# Altium PCB RFSOC_SAWG.PcbDoc (part 3 of 15)
Units mm, origin at the board's own origin, x right, y up, seen from the top; angles counter-clockwise.
Board outline 221.25 x 100 mm, 8 copper layers (Top Layer, Mid-Layer 2, Mid-Layer 3, Mid-Layer 4, Mid-Layer 5, Mid-Layer 6, Mid-Layer 7, Bottom Layer), stack 1.455 mm thick; 1107 components, 833 nets, 3980 pads, 2483 vias.
Unrouted connection lines stored in the file: 1.
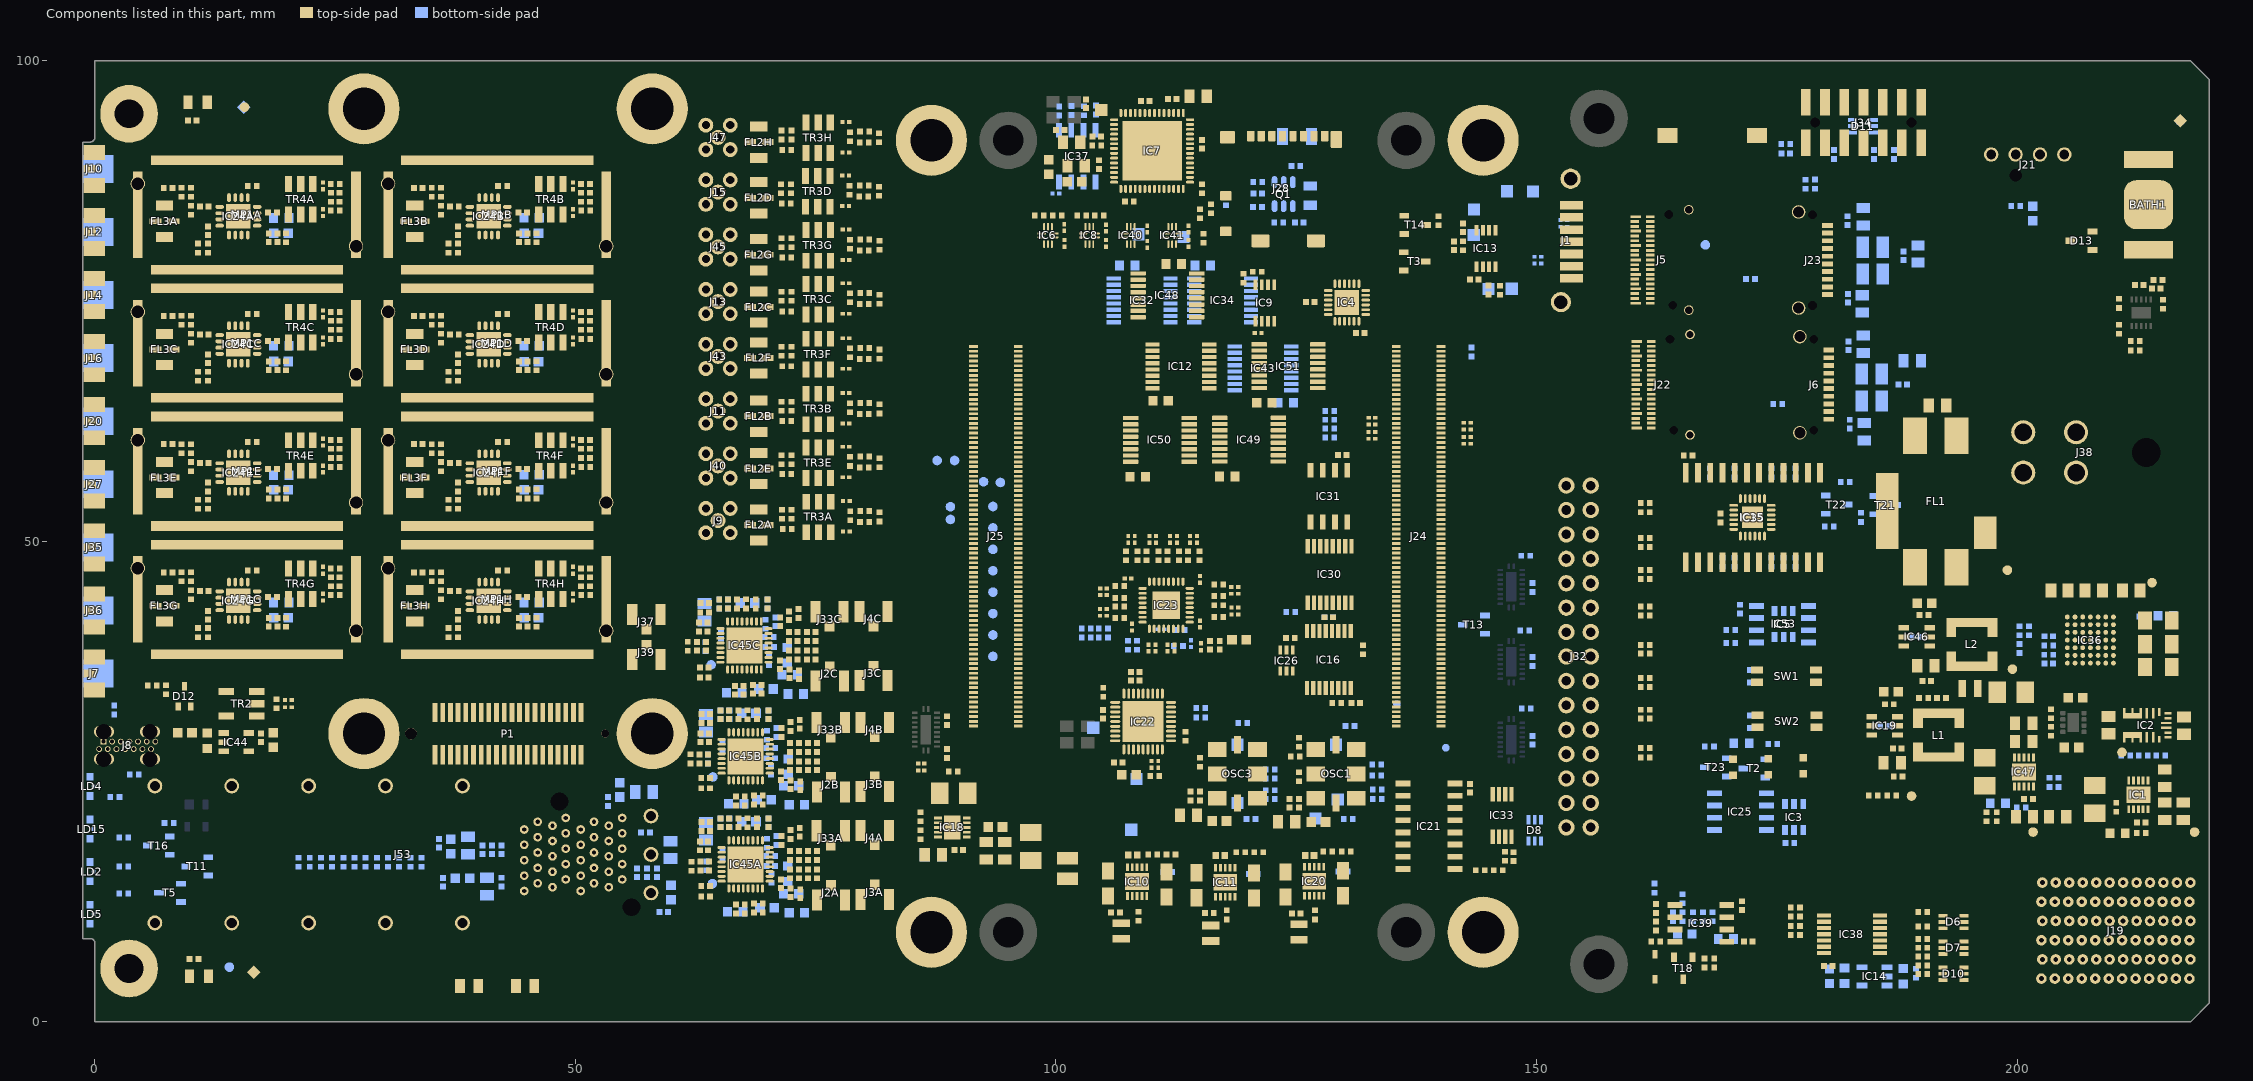
[diagram p9: the components of this part, seen from the top]

## Components (designator, comment, footprint, x,y, rotation, side; value= is the part's Value field where it differs from the comment) (continued)
R128H "4k7" RESC1005X40N 42.425,46.988 r180 top (schematic designator R128)
R129A "100" RESC1005X40N 11.764,80.516 r270 top (schematic designator R129)
R129B "100" RESC1005X40N 37.799,80.516 r270 top (schematic designator R129)
R129C "100" RESC1005X40N 11.764,67.181 r270 top (schematic designator R129)
R129D "100" RESC1005X40N 37.799,67.181 r270 top (schematic designator R129)
R129E "100" RESC1005X40N 11.764,53.846 r270 top (schematic designator R129)
R129F "100" RESC1005X40N 37.799,53.846 r270 top (schematic designator R129)
R129G "100" RESC1005X40N 11.764,40.511 r270 top (schematic designator R129)
R129H "100" RESC1005X40N 37.799,40.511 r270 top (schematic designator R129)
R130 "10k" RESC1005X40N 21.2,16.6 r270 bottom
R131A "100" RESC1005X40N 10.748,80.516 r90 top (schematic designator R131)
R131B "100" RESC1005X40N 36.783,80.516 r90 top (schematic designator R131)
R131C "100" RESC1005X40N 10.748,67.181 r90 top (schematic designator R131)
R131D "100" RESC1005X40N 36.783,67.181 r90 top (schematic designator R131)
R131E "100" RESC1005X40N 10.748,53.846 r90 top (schematic designator R131)
R131F "100" RESC1005X40N 36.783,53.846 r90 top (schematic designator R131)
R131G "100" RESC1005X40N 10.748,40.511 r90 top (schematic designator R131)
R131H "100" RESC1005X40N 36.783,40.511 r90 top (schematic designator R131)
R132 "1k6" RESC1005X40N 85.925,21.35 r270 top
R133 "15k" RESC1005X40N 85.925,19.475 r270 top
R134 "10k" RESC1005X40N 24.691,16.6 r90 bottom
R135 "22" RESC1005X40N 190.175,9.925 r0 top
R136 "22" RESC1005X40N 176.95,9.025 r0 top
R137 "22" RESC1005X40N 190.175,11.438 r0 top
R138 "22" RESC1005X40N 190.175,4.975 r0 top
R139 "22" RESC1005X40N 190.175,6.8 r0 top
R140 "22" RESC1005X40N 176.95,9.992 r0 top
R141 "1k" RESC1005X40N 128.475,63.575 r0 bottom
R142 "1k" RESC1005X40N 128.475,62.65 r0 bottom
R143 "1k" RESC1005X40N 148.93,32.6 r0 bottom
R144 "1k" RESC1005X40N 128.475,61.725 r0 bottom
R145 "0" RESC1005X40N 161.325,53.975 r180 top
R146 "0" RESC1005X40N 161.325,49.425 r180 top
R147 "0" RESC1005X40N 161.325,47 r180 top
R148 "0" RESC1005X40N 161.325,42.275 r180 top
R149 "0" RESC1005X40N 161.325,39.225 r180 top
R150 "0" RESC1005X40N 161.321,35.785 r180 top
R151 "0" RESC1005X40N 161.325,32.475 r180 top
R152 "0" RESC1005X40N 161.325,28.475 r180 top
R153 "3k9" RESC1608X55N 210.475,19.625 r0 top
R154 "1k" RESC1005X40N 128.475,60.8 r0 bottom
R155 "18k" RESC1005X40N 212.925,19.65 r0 top
R164 "10K" RESC1005X40N 172.675,30.559 r180 bottom value=10k
R165 "10k" RESC1005X40N 146.211,76.13 r270 top
R166 "10k" RESC1005X40N 145,76.15 r270 top
R167 "2k2" RESC1005X40N 166.8,57.125 r270 bottom
R168 "0" RESC1005X40N 161.321,34.835 r180 top
R169 "2k2" RESC1005X40N 168.075,57.125 r270 bottom
R170 "10k" RESC1005X40N 182.15,56.15 r180 bottom
R171 "10k" RESC1005X40N 183.775,52.485 r90 bottom
R172 "10k" RESC1005X40N 180.45,51.55 r180 bottom
R174 "0" RESC1005X40N 170.201,40.778 r0 bottom
R175 "1M1" RESC2012X60N 10.7,95.675 r0 top
R176 "1M1" RESC2012X60N 10.85,4.725 r0 top
R177 "10M" RESC2113X55N 44.775,3.75 r180 top
R178 "10M" RESC2113X55N 38.95,3.725 r180 top
R179 "2k2" RESC1608X55N 171.325,28.975 r0 bottom
R181 "10K" RESC1005X40N 203.3,38.2 r0 bottom value=10k
R182 "8K25" RESC1608X55N 215.475,42.25 r180 bottom value=8k25
R183 "180k" RESC1005X40N 203.3,39.15 r0 bottom
R184 "10K" RESC1005X40N 168,28.65 r180 bottom value=10k
R185 "1K" RESC1005X40N 199.855,84.875 r180 bottom value=1k
R186 "1k6" RESC1005X40N 2.1,23.375 r0 bottom
R187 "10k" RESC1005X40N 146.025,15.775 r0 top
R188 "0" RESC1005X40N 144.15,15.775 r0 top
R189 "10K" RESC1005X40N 212.3,70.825 r180 top value=10k
R190 "1K" RESC1005X40N 210.625,74.75 r270 top value=1k
R191 "4K7" RESC1005X40N 175.1,64.275 r180 bottom value=4k7
R194 "0" RESC1005X40N 146.725,17.225 r90 top
R197 "0" RESC1005X40N 162.4,8.35 r180 top
R198 "4k7" RESC1005X40N 172.675,31.884 r0 bottom
R199 "0" RESC2012X60N 126.45,85.975 r90 bottom
R200 "10K" RESC1005X40N 120.975,84.775 r180 bottom value=10k
R201 "10K" RESC1005X40N 123.2,83.15 r180 bottom value=10k
R202 "4K7" RESC1005X40N 117.7,85.425 r270 bottom value=4k7
R203 "10k" RESC1005X40N 101.6,94.825 r90 bottom
R204 "10k" RESC1005X40N 100.35,94.775 r90 bottom
R205 "2K2" RESC1005X40N 102.925,94.805 r270 bottom value=2k2
R206 "10k" RESC1005X40N 115,84.1 r270 top
R207 "10k" RESC1005X40N 115.375,81.515 r90 top
R208 "4K7" RESC1005X40N 124.425,42.65 r0 bottom value=4k7
R209 "10k" RESC1005X40N 139.8,83.375 r90 top
R210 "100k" RESC1005X40N 196.825,21.35 r90 top
R211 "100k" RESC1005X40N 197.893,21.35 r90 top
R212 "1k3" RESC1608X55N 198,22.736 r0 bottom
R213 "18k" RESC1005X40N 200.425,22.286 r0 bottom
R214A "0" RESC1005X40N 65.331,17.461 r90 bottom (schematic designator R214)
R214B "0" RESC1005X40N 65.331,28.702 r90 bottom (schematic designator R214)
R214C "0" RESC1005X40N 65.136,40.352 r90 bottom (schematic designator R214)
R215 "240" RESC1005X40N 3,13.375 r180 bottom
R216 "0" RESC0603X28N 85.992,26.165 r0 top
R217 "22" RESC1005X40N 176.95,11.925 r0 top
R218 "22" RESC1005X40N 176.95,10.958 r0 top
R219 "22" RESC1005X40N 190.175,5.887 r0 top
R220 "22" RESC1005X40N 190.175,7.712 r0 top
R221 "22" RESC1005X40N 190.175,8.625 r0 top
R224 "0" RESC1005X40N 121,87.375 r180 bottom
R225 "30" RESC1005X40N 115,27 r270 top
R226 "1k6" RESC1005X40N 168.3,10.925 r90 bottom
R230 "0" RESC1005X40N 170.2,39.425 r0 bottom
R231 "0" RESC1005X40N 5.975,35 r0 top
R232 "Undefined" RESC1005X40N 7.4,34.57 r270 top
R233 "100" RESC1005X35N 18.9,33.1 r270 top
R235 "0" RESC1005X40N 161.325,53.025 r180 top
R236 "0" RESC1005X40N 161.325,50.325 r180 top
R240 "200k" RESC1005X40N 142.35,80.75 r270 top
R241 "0" RESC1005X40N 161.321,46.085 r180 top
R242 "0" RESC1005X40N 161.325,43.225 r180 top
R243 "0" RESC1005X40N 161.325,38.325 r180 top
R244 "1k" RESC1005X40N 129.23,33.2 r0 top
R247 "0" RESC1005X40N 161.325,31.575 r180 top
R248 "0" RESC1005X40N 161.325,27.525 r180 top
R255 "1k" RESC1005X40N 148.9,48.5 r0 bottom
R256 "1k" RESC1005X40N 148.8,40.7 r0 bottom
R258 "1k" RESC1005X40N 88.667,27.923 r270 top
R259 "10k" RESC1005X40N 187.2,90.25 r270 bottom
R263 "10k" RESC1005X40N 185.125,90.25 r270 bottom
R264 "10k" RESC1005X40N 180.95,90.25 r270 bottom
R265 "10k" RESC1005X40N 179,87.175 r270 bottom
R266 "0" RESC1005X40N 177.991,87.17 r90 bottom
R268 "200k" RESC1005X40N 211.297,27.721 r180 bottom
R269 "39k" RESC1005X40N 213.117,27.721 r180 bottom
R270 "5k1" RESC1005X40N 214.942,27.721 r180 bottom
R271 "510k" RESC1005X40N 203.55,30.25 r270 top
R272 "160k" RESC1005X40N 203.55,32.075 r270 top
R273A "4k7" RESC1005X40N 19.9,81.6 r90 top (schematic designator R273)
R273B "4k7" RESC1005X40N 45.935,81.6 r90 top (schematic designator R273)
R273C "4k7" RESC1005X40N 19.9,68.265 r90 top (schematic designator R273)
R273D "4k7" RESC1005X40N 45.935,68.265 r90 top (schematic designator R273)
R273E "4k7" RESC1005X40N 19.9,54.93 r90 top (schematic designator R273)
R273F "4k7" RESC1005X40N 45.935,54.93 r90 top (schematic designator R273)
R273G "4k7" RESC1005X40N 19.9,41.595 r90 top (schematic designator R273)
R273H "4k7" RESC1005X40N 45.935,41.595 r90 top (schematic designator R273)
R274 "10K" RESC1005X40N 162.45,9.975 r90 top
R275 "10K" RESC1005X40N 167.475,6.125 r90 top
R276 "0" RESC1005X40N 168.5,6.125 r90 top
R277 "10k" RESC1005X40N 165.198,12.808 r90 bottom
R278 "0" RESC1005X40N 162.3,13.925 r90 bottom
R279 "2k7" RESC1608X55N 169.7,8.625 r0 bottom
R280 "5k6" RESC1005X40N 167.325,10.925 r90 bottom
R281 "10k" RESC1005X40N 166.275,10.925 r90 bottom
R282 "10k" RESC1005X40N 165.2,10.925 r90 bottom
R283 "1k6" RESC1005X40N 164.2,10.925 r90 bottom
R284 "10k" RESC1005X40N 27.018,16.6 r90 bottom
R285 "10k" RESC1005X40N 25.855,16.6 r90 bottom
R286 "240" RESC1005X40N 3.025,16.175 r180 bottom
R287 "10k" RESC1005X40N 23.527,16.6 r270 bottom
R288 "10k" RESC1005X40N 22.364,16.6 r270 bottom
R289 "240" RESC1005X40N 3,19.175 r180 bottom
R290 "10k" RESC1005X40N 31.673,16.6 r90 bottom
R291 "10k" RESC1005X40N 28.182,16.6 r90 bottom
R292 "10k" RESC1005X40N 29.345,16.6 r90 bottom
R293 "10k" RESC1005X40N 34,16.6 r270 bottom
R294 "10k" RESC1005X40N 32.836,16.6 r270 bottom
R295 "10k" RESC1005X40N 30.509,16.6 r270 bottom
S1 "9774100360" 9774100360 58,30 r0 top locked
S2 "9774100360" 9774100360 28,30 r0 top
S3 "9774100360" 9774100360 58,95 r0 top
S4 "9774100360" 9774100360 28,95 r0 top
S5 "9774050360" 9774050360#1 144.45,9.322 r0 top
S6 "9774050360" 9774050360#2 87.05,9.322 r0 top
S7 "9774050360" 9774050360#1 87.05,91.722 r0 top
S8 "9774050360" 9774050360#1 144.45,91.722 r0 top
SW1 "Switch" SW_OMRON_A6H-2102 176.025,35.984 r180 top
SW2 "Switch" SW_OMRON_A6H-2102 176.075,31.284 r180 top
T2 "BSH103" SOT95P230X110-3N 172.675,26.375 r180 bottom
T3 "BSH103" SOT95P230X110-3N 137.325,79.12 r0 top
T5 "BSH103" SOT95P230X110-3N 7.825,13.425 r180 bottom
T11 "BSH103" SOT95P230X110-3N 10.675,16.175 r180 bottom
T13 "BSH103" SOT95P230X110-3N 143.5,41.325 r180 bottom
T14 "BSH103" SOT95P230X110-3N 137.375,82.92 r0 top
T16 "BSH103" SOT95P230X110-3N 6.65,18.35 r180 bottom
T18 "BSH103" SOT95P230X110-3N 165.275,5.575 r270 top
T21 "BSH103" SOT95P230X110-3N 186.3,53.775 r0 bottom
T22 "BSH103" SOT95P230X110-3N 181.25,53.825 r0 bottom
T23 "BSH103" SOT95P230X110-3N 168.663,26.485 r180 bottom
TP1 "Testpoint 0.8mm" TP_0.8mm 140.575,28.525 r180 bottom
TP2 "Testpoint 0.8mm" TP_0.8mm 135.475,33.05 r180 bottom
TP4 "Test Point" TPS127 104.71,94.88 r0 top
TP5 "Test Point" TPS127 113.275,81.675 r180 bottom
TP6 "Test Point" TPS127 108.6,81.95 r180 bottom
TP13 "Test Point" TPS127 147.425,76.275 r90 bottom
TP14 "Test Point" TPS127 145,76.25 r90 bottom
TP15 "Testpoint 1mm" TP_1mm 167.575,80.85 r270 bottom
TP16 "Test Point" TPS127 146.925,86.425 r90 bottom
TP17 "Test Point" TPS127 149.65,86.4 r90 bottom
TP18 "Test Point" TPS127 143.475,81.875 r90 bottom
TP19 "Test Point" TPS127 143.5,84.525 r90 bottom
TP23 "Test Point" TPS127 118.885,22.784 r90 bottom
TP24 "Test Point" TPS127 118.885,28.834 r90 bottom
TP25 "Test Point" TPS127 107.849,19.99 r0 bottom
TP26 "Test Point" TPS127 127,21.175 r0 bottom
TP27 "Test Point" TPS127 108.375,25.275 r0 bottom
TP28 "Q1" TPS127 103.881,30.6 r90 bottom
TP29 "Test Point" TPS127 129.325,23.125 r90 bottom
TP30 "Test Point" TPS127 129.15,28.834 r90 bottom
TR2 "1:1" XFMR_MINI-CIRCUITS_AT224 15.265,33.105 r270 top
TR3A "1:2" XFMR_MINI-CIRCUITS_DB1627 75.301,52.534 r0 top (schematic designator TR3)
TR3B "1:2" XFMR_MINI-CIRCUITS_DB1627 75.275,63.772 r0 top (schematic designator TR3)
TR3C "1:2" XFMR_MINI-CIRCUITS_DB1627 75.275,75.202 r0 top (schematic designator TR3)
TR3D "1:2" XFMR_MINI-CIRCUITS_DB1627 75.226,86.408 r0 top (schematic designator TR3)
TR3E "1:2" XFMR_MINI-CIRCUITS_DB1627 75.275,58.184 r0 top (schematic designator TR3)
TR3F "1:2" XFMR_MINI-CIRCUITS_DB1627 75.275,69.487 r0 top (schematic designator TR3)
TR3G "1:2" XFMR_MINI-CIRCUITS_DB1627 75.275,80.79 r0 top (schematic designator TR3)
TR3H "1:2" XFMR_MINI-CIRCUITS_DB1627 75.264,91.985 r0 top (schematic designator TR3)
TR4A "1:2" XFMR_MINI-CIRCUITS_DB1627 21.416,85.596 r0 top (schematic designator TR4)
TR4B "1:2" XFMR_MINI-CIRCUITS_DB1627 47.451,85.596 r0 top (schematic designator TR4)
TR4C "1:2" XFMR_MINI-CIRCUITS_DB1627 21.416,72.261 r0 top (schematic designator TR4)
TR4D "1:2" XFMR_MINI-CIRCUITS_DB1627 47.451,72.261 r0 top (schematic designator TR4)
TR4E "1:2" XFMR_MINI-CIRCUITS_DB1627 21.416,58.926 r0 top (schematic designator TR4)
TR4F "1:2" XFMR_MINI-CIRCUITS_DB1627 47.451,58.926 r0 top (schematic designator TR4)
TR4G "1:2" XFMR_MINI-CIRCUITS_DB1627 21.416,45.591 r0 top (schematic designator TR4)
TR4H "1:2" XFMR_MINI-CIRCUITS_DB1627 47.451,45.591 r0 top (schematic designator TR4)

## Footprints (in the part's own frame and the unit in brackets; to place one, negate y for a bottom-side part, rotate by r counter-clockwise, add the part's x,y. Pads: shape width x height; smd on the part's side, far side on the other; paste and mask are expansions set on the pad)
3M_N2530-6002RB [mm] "30 Contacts - Straight .100\" x .100\" Low Profile Four-Wall Header"
  round 1.7 hole 1: 1(-17.78,-1.27) 2(-17.78,1.27) 3(-15.24,-1.27) 4(-15.24,1.27) 5(-12.7,-1.27) 6(-12.7,1.27) 7(-10.16,-1.27) 8(-10.16,1.27) 9(-7.62,-1.27) 10(-7.62,1.27) 11(-5.08,-1.27) 12(-5.08,1.27) 13(-2.54,-1.27) 14(-2.54,1.27) 15(0,-1.27) 16(0,1.27) 17(2.54,-1.27) 18(2.54,1.27) 19(5.08,-1.27) 20(5.08,1.27) 21(7.62,-1.27) 22(7.62,1.27) 23(10.16,-1.27) 24(10.16,1.27) 25(12.7,-1.27) 26(12.7,1.27) 27(15.24,-1.27) 28(15.24,1.27) 29(17.78,-1.27) 30(17.78,1.27)
  silkscreen extent -22.71,-4.85 22.71,4.52, body extent -22.71,-4.11 22.71,4.52, height 9.91
47053-1000 [mm]
  round 1.5 hole 1: 1(3.81,1.08) 2(1.27,1.08) 3(-1.27,1.08) 4(-3.81,1.08)
  round 0 hole 1.3 unplated: H1(-1.27,-1.08)
  silkscreen extent -5.1,-2.12 5.1,4.38, body extent -5.1,-1.46 5.1,4.38, height 10
104031-0811 [mm]
  rrect20% 0.75x1.1 smd: 1(3.155,-5.525) 2(2.055,-5.525) 3(0.955,-5.525) 4(-0.145,-5.525) 5(-1.245,-5.525) 6(-2.345,-5.525) 7(-3.445,-5.525) 8(-4.545,-5.525)
  rrect20% 1.2x1 smd: 9(5.74,0.7) 10(5.74,4.4)
  rrect20% 1.55x1.35 smd: G1(5.565,-5.4)
  rrect20% 1.17x1.8 smd: G2(-5.755,-5.175)
  rrect20% 1.9x1.35 smd: G3(-3.63,5.375) G4(2.14,5.375)
  silkscreen extent -5.98,-4.4 5.97,5.7, body extent -5.97,-9.7 5.98,5.7, height 1.45
3670230 [mm] "Shielding Cabinet, SMT Frame Seamless, 23x11.7x5mm"
  rect 1x9 smd paste-2539.97 mask-2222: 1(-11.35,0) 1(11.35,0)
  round 1.5 hole 1.3: 1(-11.35,3.25) 1(11.35,-3.25)
  rect 20x1 smd paste-2539.97 mask-2222: 1(0,5.7) 1(0,-5.7)
  Top Layer region: -12.1,-4.05 -12.1,4.05 -11.917,4.968 -11.397,5.747 -10.618,6.267 -9.7,6.45 -9.7,6.45 1,6.45 1,4.95 -9.7,4.95 -10.044,4.881 -10.336,4.686 -10.531,4.394 -10.6,4.05 -10.6,4.05 -10.6,-4.05 -10.531,-4.394 -10.336,-4.686 -10.044,-4.881 -9.7,-4.95 -9.7,-4.95 1,-4.95 1,-6.45 -9.7,-6.45 -10.618,-6.267 -11.397,-5.747 -11.917,-4.968 -12.1,-4.05
  Top Layer region: 12.1,-4.05 12.1,4.05 11.917,4.968 11.397,5.747 10.618,6.267 9.7,6.45 9.7,6.45 9.7,6.45 0.25,6.45 0.25,4.95 9.7,4.95 10.044,4.881 10.336,4.686 10.531,4.394 10.6,4.05 10.6,4.05 10.6,-4.05 10.531,-4.394 10.336,-4.686 10.044,-4.881 9.7,-4.95 9.7,-4.95 0.25,-4.95 0.25,-6.45 9.7,-6.45 9.7,-6.45 10.618,-6.267 11.397,-5.747 11.917,-4.968 12.1,-4.05
  body extent -11.5,-5.85 11.5,5.85, height 5
9774050360#1 [mm] "SMD Steel Spacer with internal Thread"
  round 7.4 smd paste-576.133: 1(0,0)
  round 0 hole 4.4 unplated: ""(0,0)
  body extent -3.04,-2.94 2.96,3.06, height 5
9774050360#2 [mm] "SMD Steel Spacer with internal Thread"
  round 7.4 smd paste-576.133: 1(0,0)
  oval 8x0 / inner round 0 / far side round 0 hole 4.4 unplated: ""(0,0)
  body extent -3.04,-2.94 2.96,3.06, height 5
9774100360 [mm] "SMD Steel Spacer with internal Thread"
  round 7.4 smd paste-576.133: 1(0,0)
  round 0 hole 4.4 unplated: ""(0,0)
  body extent -3.04,-2.94 2.96,3.06, height 10
658855603040 [mm] "0.80mm SMT Male Shrouded Vertical Plug 5.60mm height, 40p"
  rect 0.5x2 smd: 1(-7.6,2.2) 2(-7.6,-2.2) 3(-6.8,2.2) 4(-6.8,-2.2) 5(-6,2.2) 6(-6,-2.2) 7(-5.2,2.2) 8(-5.2,-2.2) 9(-4.4,2.2) 10(-4.4,-2.2) 11(-3.6,2.2) 12(-3.6,-2.2) 13(-2.8,2.2) 14(-2.8,-2.2) 15(-2,2.2) 16(-2,-2.2) 17(-1.2,2.2) 18(-1.2,-2.2) 19(-0.4,2.2) 20(-0.4,-2.2) 21(0.4,2.2) 22(0.4,-2.2) 23(1.2,2.2) 24(1.2,-2.2) 25(2,2.2) 26(2,-2.2) 27(2.8,2.2) 28(2.8,-2.2) 29(3.6,2.2) 30(3.6,-2.2) 31(4.4,2.2) 32(4.4,-2.2) 33(5.2,2.2) 34(5.2,-2.2) 35(6,2.2) 36(6,-2.2) 37(6.8,2.2) 38(6.8,-2.2) 39(7.6,2.2) 40(7.6,-2.2)
  round 0.8 hole 0.8 unplated: M1(-10.1,0)
  round 1.2 hole 1.2 unplated: M2(10.1,0)
  silkscreen extent -10.9,-3 10.9,3, body extent -10.9,-3.35 10.9,3.35, height 5.85
AMPHENOL_302102 [mm] "50 Ohm RF Connector, SMP End Launch Jack for 1.6mm PCB,  Flat Tab Contact"
  rect 1.3x0.8 smd: 1(0,0)
  rect 2.2x1.55 smd: 2(0.45,-1.725) 2(0.45,1.725)
  rect 3.2x2.9 smd far side: 2(0.85,0)
  body extent -5.39,-2.45 2.41,2.45, height 2.64
AMPHENOL_10052825-101LF [mm] "72 Contacts, 2mm Pitch, 6 Columns, 4 Pairs per Column, 4 Walls, Right Angle Header"
  round 1.1 hole 0.5: A1(-5,-7.65) A2(-3,-7.75) A3(-1,-7.65) A4(1,-7.75) A5(3,-7.65) A6(5,-7.75) B1(-5,-6.25) B2(-3,-6.35) B3(-1,-6.25) B4(1,-6.35) B5(3,-6.25) B6(5,-6.35) C1(-5,-4.85) C2(-3,-4.95) C3(-1,-4.85) C4(1,-4.95) C5(3,-4.85) C6(5,-4.95) D1(-5,-3.45) D2(-3,-3.55) D3(-1,-3.45) D4(1,-3.55) D5(3,-3.45) D6(5,-3.55) E1(-5,-2.05) E2(-3,-2.15) E3(-1,-2.05) E4(1,-2.15) E5(3,-2.05) E6(5,-2.15) F1(-5,-0.65) F2(-3,-0.75) F3(-1,-0.65) F4(1,-0.75) F5(3,-0.65) F6(5,-0.75) G1(-5,0.75) G2(-3,0.65) G3(-1,0.75) G4(1,0.65) G5(3,0.75) G6(5,0.65) H1(-5,2.15) H2(-3,2.05) H3(-1,2.15) H4(1,2.05) H5(3,2.15) H6(5,2.05) I1(-5,3.55) I2(-3,3.45) I3(-1,3.55) I4(1,3.45) I5(3,3.55) I6(5,3.45) J1(-5,4.95) J2(-3,4.85) J3(-1,4.95) J4(1,4.85) J5(3,4.95) J6(5,4.85) K1(-5,6.35) K2(-3,6.25) K3(-1,6.35) K4(1,6.25) K5(3,6.35) K6(5,6.25) L1(-5,7.75) L2(-3,7.65) L3(-1,7.75) L4(1,7.65) L5(3,7.75) L6(5,7.65)
  silkscreen extent -6.95,-21.95 6.95,11.85, body extent -6.95,-21.95 6.95,11.85, height 15.25
AMPHENOL_U77A11108000P [mm] "Plastic Dust Cover SFP Cage"
  silkscreen extent -4,-6.82 4.9,7.87, body extent -4.03,-6.82 4.9,7.87, height 5.1
BATH_KEYSTONE_2998 [mm] "SMD Battery Holder for SR60, SR66, SR621, LR621, MC621, V364, SC621, DR13H, D377, V13AT Coin Cells"
  rect 1.8x5.1 smd: 1(-4.7,0) 1(4.7,0)
  rrect50% 5.1x5.1 smd paste-2.55: 2(0,0)
  silkscreen extent -3.7,-4.03 3.7,3.97, body extent -5.36,-4.03 5.36,3.98, height 2.9
BGA49N80P7X7_625X625X536 [mm] "BGA, 0.8mm Pitch, Square; 49 Pin, 7 Columns X 7 Rows, 6.25mm X 6.25mm X 05.36mm H"
  round 0.5 smd: A1(-2.4,2.4) A2(-1.6,2.4) A3(-0.8,2.4) A4(0,2.4) A5(0.8,2.4) A6(1.6,2.4) A7(2.4,2.4) B1(-2.4,1.6) B2(-1.6,1.6) B3(-0.8,1.6) B4(0,1.6) B5(0.8,1.6) B6(1.6,1.6) B7(2.4,1.6) C1(-2.4,0.8) C2(-1.6,0.8) C3(-0.8,0.8) C4(0,0.8) C5(0.8,0.8) C6(1.6,0.8) C7(2.4,0.8) D1(-2.4,0) D2(-1.6,0) D3(-0.8,0) D4(0,0) D5(0.8,0) D6(1.6,0) D7(2.4,0) E1(-2.4,-0.8) E2(-1.6,-0.8) E3(-0.8,-0.8) E4(0,-0.8) E5(0.8,-0.8) E6(1.6,-0.8) E7(2.4,-0.8) F1(-2.4,-1.6) F2(-1.6,-1.6) F3(-0.8,-1.6) F4(0,-1.6) F5(0.8,-1.6) F6(1.6,-1.6) F7(2.4,-1.6) G1(-2.4,-2.4) G2(-1.6,-2.4) G3(-0.8,-2.4) G4(0,-2.4) G5(0.8,-2.4) G6(1.6,-2.4) G7(2.4,-2.4)
  silkscreen extent -3.88,-3.15 3.15,3.15, body extent -3.13,-3.13 3.13,3.13, height 5.36
C100 [mm] "1mm Diameter SMD Pad"
  round 1 smd paste-1: 1(0,0)
CAPC0603X33N [mm] "Chip Capacitor, Body 0.6x0.30mm, IPC Medium Density"
  rect 0.45x0.4 smd: 1(-0.35,0) 2(0.35,0)
  body extent -0.31,-0.16 0.32,0.17, height 0.33
CAPC1005X55N [mm] "Capacitor, Non-Polarized, Chip; 1.00mm L X 0.50mm W X 0.70mm H, IPC Medium Density"
  rect 0.62x0.62 smd: 1(-0.45,0) 2(0.45,0)
  body extent -0.52,-0.27 0.53,0.28, height 0.55
CAPC1005X70N [mm] "Capacitor, Non-Polarized, Chip; 1.00mm L X 0.50mm W X 0.70mm H, IPC Medium Density"
  rect 0.71x0.72 smd: 1(-0.46,0) 2(0.46,0)
  body extent -0.6,-0.35 0.6,0.35, height 0.7
CAPC1608X80N [mm] "Chip Capacitor, Body 1.6x0.8mm IPC Medium Density"
  rect 1x1 smd: 1(-0.75,0) 2(0.75,0)
  body extent -0.87,-0.47 0.88,0.48, height 0.8
CAPC1608X87N [mm] "Chip Capacitor, Body 1.6x0.8mm IPC Medium Density"
  rect 0.95x1 smd: 1(-0.8,0) 2(0.8,0)
  body extent -0.87,-0.47 0.88,0.48, height 0.87
CAPC1608X90N [mm] "Chip Capacitor, Body 1.6x0.8mm IPC Medium Density"
  rect 0.95x0.95 smd: 1(-0.75,0) 2(0.75,0)
  body extent -0.85,-0.45 0.85,0.45, height 0.9
CAPC2012X95N [mm] "Chip Capacitor, Body 2.0x1.25mm, IPC Medium Density"
  rect 1.1x1.45 smd: 1(-0.9,0) 2(0.9,0)
  silkscreen extent 0,-0.58 0,0.58, body extent -1.05,-0.67 1.05,0.68, height 0.95
CAPC2012X135N [mm] "Chip Capacitor, Body 2.0x1.25mm, IPC Medium Density"
  rect 1.05x1.4 smd: 1(-0.9,0) 2(0.9,0)
  silkscreen extent 0,-0.57 0,0.57, body extent -1.05,-0.67 1.05,0.68, height 1.25
CAPC2012X145N [mm] "Chip Capacitor, Body 2.0x1.45mm, IPC Medium Density"
  rect 1.15x1.45 smd: 1(-0.9,0) 2(0.9,0)
  silkscreen extent 0,-0.57 0,0.57, body extent -1.05,-0.67 1.05,0.68, height 1.45
CAPC3216X180N [mm] "Chip Capacitor, Body 3.2x1.6mm, IPC Medium Density"
  rect 1.15x1.8 smd: 1(-1.5,0) 2(1.5,0)
  silkscreen extent -0.55,-0.8 0.55,0.8, body extent -1.7,-0.9 1.7,0.9, height 1.8
CAPC3216X190N [mm] "Chip Capacitor, Body 3.2x1.6mm, IPC Medium Density"
  rect 1.45x1.9 smd: 1(-1.4,0) 2(1.4,0)
  silkscreen extent -0.3,-0.95 0.3,0.95, body extent -1.75,-0.95 1.75,0.95, height 1.9
CAPMP3216X180N [mm] "Capacitor, Polarized, Molded  Body 3.2x1.6mm, IPC Medium Density"
  rect 1.8x1.25 smd: 1(-1.3,0) 2(1.3,0)
  silkscreen extent -2.4,-0.7 0,1.25, body extent -1.7,-0.9 1.7,0.9, height 1.6
CAPMP3528X210N [mm] "Capacitor, Polarized, Molded  Body 3.5x2.8mm, IPC Medium Density"
  rect 1.8x2.25 smd: 1(-1.45,0) 2(1.45,0)
  silkscreen extent -2.52,-1.5 1.85,1.72, body extent -1.85,-1.5 1.85,1.5, height 2.1
FIDUCIAL_TOP_C100-200 [mm] "Round Fiducial Target, Top Layer, 1.0mm, Top Solder 2.0mm, Keepout =2.0mm"
  round 1 smd paste-0.51 mask+0.5: FTG2(0,0)
  Top Layer keep-out circle w0.1: c0,0 r1
FIDUCIAL_TOP_S100-200 [mm] "Square Fiducial Target, Top Layer, 1.0mm, Top Solder 2.0mm, Keepout =2.0mm"